# Altium PCB MiniPC.PcbDoc (part 9 of 23) (continued)
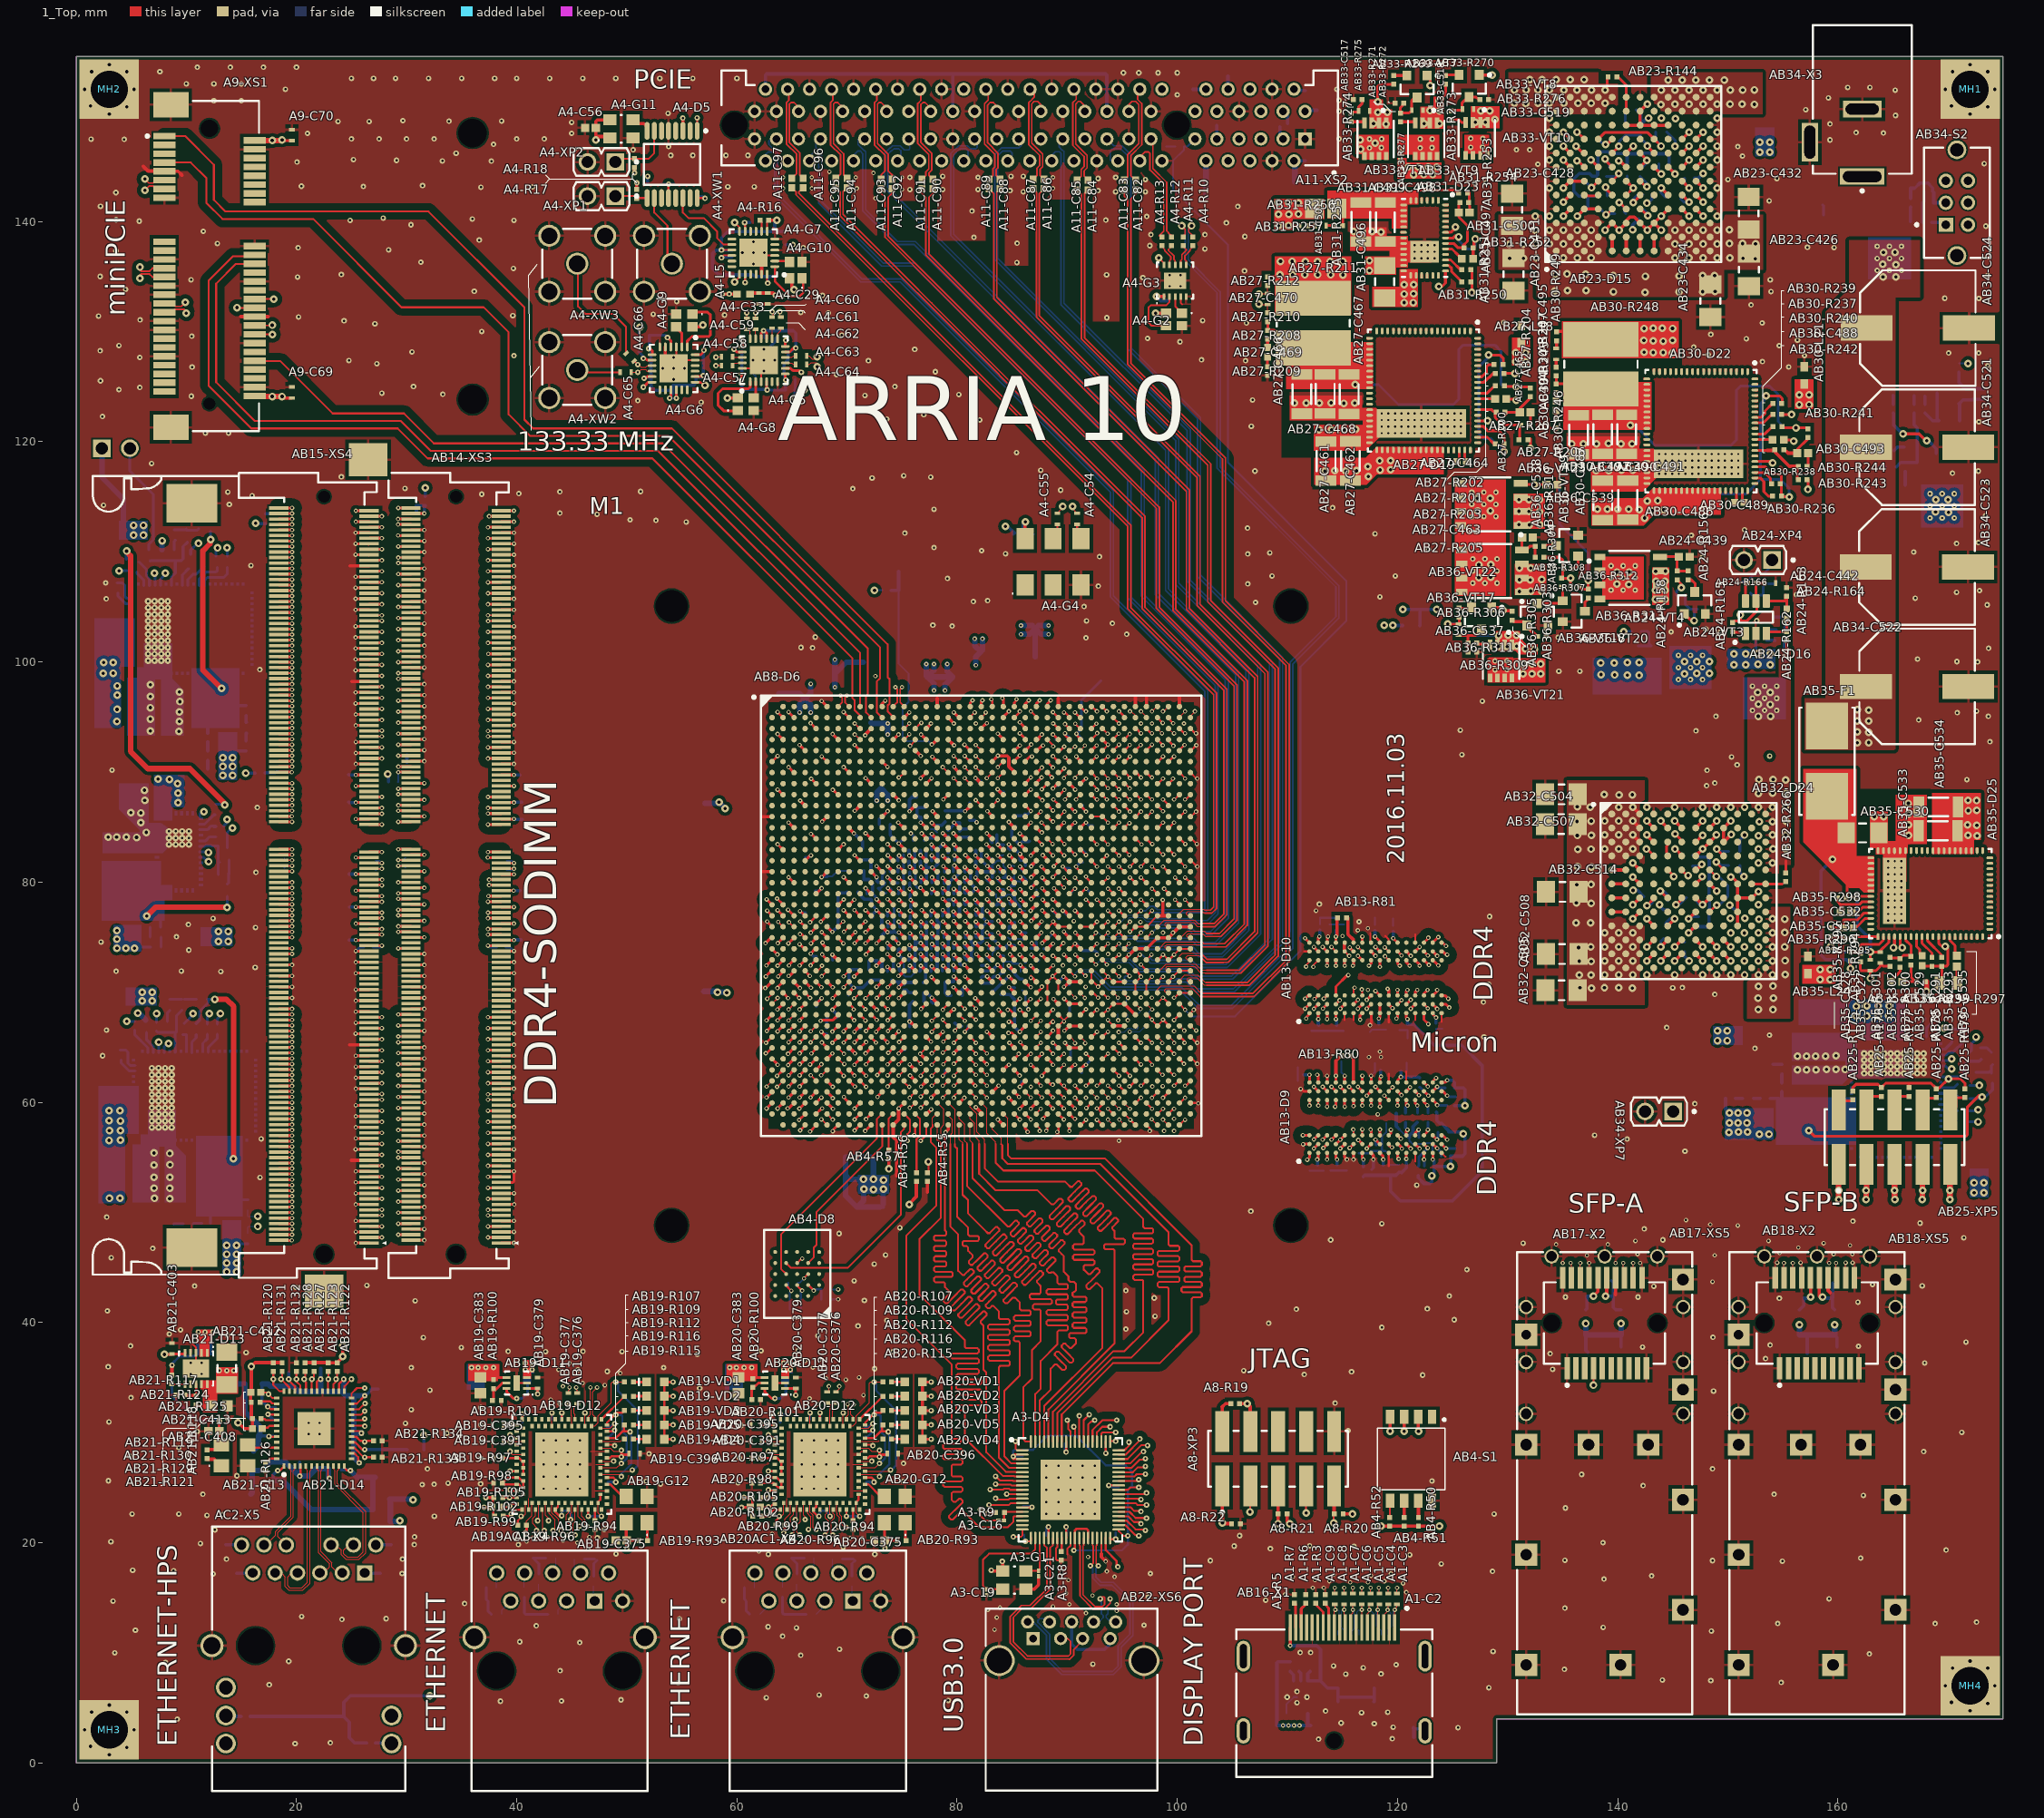
[diagram p0: 1_Top view]
## Nets (pads, with @x,y where several pads share a name; then routed paths per layer and width w, separated by ;. In a path a pad name is that pad's centre, name@x,y a point inside that pad or via, vN(x,y) a via of type N, cw(c..) or ccw(c..) an arc to the next point about the centre after c; other vN are vias at no path point) (continued)
DDR4_BLK1.ADDR.A13: AB8-D6.AG7 AB14-XS3.158 AB15-XS4.158 | length 85.3
  1_Top w0.25: AB15-XS4.158@18.4,88.475 v1(19.602,88.475) ; v1(29.25,88.475) AB14-XS3.158@30.4,88.475 ; v1(68.694,69.439) AB8-D6.AG7@69.194,69.939
  10_int9_(sign) w0.15: v1(19.602,88.475) 20.4,88.475 20.725,88.15 26,88.15 26.325,88.475 v1(29.25,88.475)
  12_int11_(sign) w0.15: v1(29.25,88.475) 30.425,89.65 37.875,89.65 38.45,90.225 40.6,90.225 40.75,90.375 40.75,91.225 40.9,91.375 41.2,91.375 41.35,91.225 41.35,89.935 41.5,89.785 41.8,89.785 41.95,89.935 41.95,91.225 42.1,91.375 42.4,91.375 42.55,91.225 42.55,89.935 42.7,89.785 43,89.785 43.15,89.935 43.15,91.225 43.3,91.375 43.6,91.375 43.75,91.225 43.75,89.935 43.9,89.785 44.2,89.785 44.35,89.935 44.35,91.225 44.5,91.375 44.8,91.375 44.95,91.225 44.95,89.935 45.1,89.785 45.4,89.785 45.55,89.935 45.55,91.225 45.7,91.375 46,91.375 46.15,91.225 46.15,89.935 46.3,89.785 46.6,89.785 46.75,89.935 46.75,91.225 46.9,91.375 47.2,91.375 47.35,91.225 47.35,90.375 47.5,90.225 53.25,90.225 54.925,88.55 60.625,88.55 62.775,86.4 62.775,80.05 64.15,78.675 64.15,77.175 64.375,76.95 64.8,76.95 65.1,76.65 65.1,76.375 65.6,75.875 65.875,75.875 66.225,75.525 66.225,74.175 66.475,73.925 67,73.925 67.2,73.725 67.2,73.15 67.425,72.925 67.9,72.925 68.2,72.625 68.2,70.42 68.694,69.926 v1(68.694,69.439)
DDR4_BLK1.ADDR.A14: AB8-D6.AG4 AB14-XS3.151 AB15-XS4.151 | length 85.2
  1_Top w0.25: AB15-XS4.151@26.6,86.725 v1(27.75,86.725) ; v1(37.398,86.725) AB14-XS3.151@38.6,86.725 ; AB8-D6.AG4@66.194,69.939 66.65,69.483 v1(66.65,69.475)
  12_int11_(sign) w0.15: v1(27.75,86.725) 28.175,86.725 28.9,86 30.65,86 31.25,86.6 37.273,86.6 v1(37.398,86.725) 38.15,86.725 38.4,86.475 39.775,86.475 40.325,85.925 40.575,85.925 40.725,86.075 40.725,86.975 40.875,87.125 41.175,87.125 41.325,86.975 41.325,85.804 41.475,85.654 41.775,85.654 41.925,85.804 41.925,86.975 42.075,87.125 42.375,87.125 42.525,86.975 42.525,85.804 42.675,85.654 42.975,85.654 43.125,85.804 43.125,86.975 43.275,87.125 43.575,87.125 43.725,86.975 43.725,85.804 43.875,85.654 44.175,85.654 44.325,85.804 44.325,86.975 44.475,87.125 44.775,87.125 44.925,86.975 44.925,85.804 45.075,85.654 45.375,85.654 45.525,85.804 45.525,86.975 45.675,87.125 45.975,87.125 46.125,86.975 46.125,85.804 46.275,85.654 46.575,85.654 46.725,85.804 46.725,86.975 46.875,87.125 47.175,87.125 47.325,86.975 47.325,85.804 47.475,85.654 47.775,85.654 47.925,85.804 47.925,86.975 48.075,87.125 48.375,87.125 48.525,86.975 48.525,85.804 48.675,85.654 48.975,85.654 49.125,85.804 49.125,86.975 49.275,87.125 49.575,87.125 49.725,86.975 49.725,86.075 49.875,85.925 52.225,85.925 52.868,85.282 52.868,85.07 52.711,84.913 52.711,84.701 52.923,84.489 53.135,84.489 53.398,84.752 54.122,85.476 54.334,85.476 54.547,85.264 54.547,85.052 53.822,84.328 53.559,84.065 53.559,83.852 53.771,83.64 53.984,83.64 54.247,83.903 54.971,84.628 55.183,84.628 55.395,84.415 55.395,84.203 54.671,83.479 54.018,82.826 54.018,82.614 54.23,82.401 54.442,82.401 55.819,83.779 56.032,83.779 56.244,83.567 56.244,83.355 55.336,82.447 55.336,82.235 55.548,82.023 55.76,82.023 55.944,82.206 56.668,82.93 56.88,82.93 57.092,82.718 57.092,82.506 56.474,81.888 56.474,81.676 57.525,80.625 57.525,80.6 59.35,78.775 59.35,78.3 61.425,76.225 61.425,73.9 62.375,72.95 63.9,72.95 64.225,72.625 64.225,71.114 65.4,69.939 66.186,69.939 v1(66.65,69.475)
DDR4_BLK1.ADDR.A15: AB8-D6.AF5 AB14-XS3.156 AB15-XS4.156 | length 86.2
  1_Top w0.25: AB15-XS4.156@18.4,87.975 v1(19.602,87.975) ; v1(29.25,87.975) AB14-XS3.156@30.4,87.975 ; AB8-D6.AF5@67.194,70.939 67.675,70.458 v1(67.675,70.45)
  12_int11_(sign) w0.15: v1(19.602,87.975) 24.9,87.975 25.125,88.2 28.325,88.2 28.55,87.975 v1(29.25,87.975) 30.675,87.975 31.125,88.425 31.375,88.425 31.7,88.1 32.1,88.1 32.425,88.425 32.75,88.425 33,88.175 33.375,88.175 33.625,88.425 33.925,88.425 34.2,88.15 34.55,88.15 34.825,88.425 38.065,88.425 38.865,89.225 53.075,89.225 54.35,87.95 59.975,87.95 60.725,87.2 60.725,86.775 60.575,86.625 60.097,86.625 59.947,86.475 59.947,86.175 60.097,86.025 61.775,86.025 61.925,85.875 61.925,85.575 61.775,85.425 59.958,85.425 59.808,85.275 59.808,84.975 59.958,84.825 61.775,84.825 61.925,84.675 61.925,84.375 61.775,84.225 60.01,84.225 59.86,84.075 59.86,83.775 60.01,83.625 61.775,83.625 61.925,83.475 61.925,83.175 61.775,83.025 59.826,83.025 59.676,82.875 59.676,82.575 59.826,82.425 61.775,82.425 61.925,82.275 61.925,81.975 61.775,81.825 60.069,81.825 59.919,81.675 59.919,81.375 60.069,81.225 61.775,81.225 61.925,81.075 61.925,80.775 61.775,80.625 60.875,80.625 60.725,80.475 60.725,79.6 62.35,77.975 62.925,77.975 63.2,77.7 63.2,75.9 63.75,75.35 64.7,75.35 65.175,74.875 65.175,73.775 66.175,72.775 66.175,72.25 66.45,71.975 67.063,71.975 67.238,71.8 67.238,70.987 67.675,70.55 v1(67.675,70.45)
DDR4_BLK1.ADDR.A16: AB8-D6.AF4 AB14-XS3.152 AB15-XS4.152 | length 86.4
  1_Top w0.25: AB15-XS4.152@18.4,86.975 v1(19.602,86.975) ; v1(29.251,86.979) 30.346,86.979 30.375,86.95 AB14-XS3.152@30.4,86.975 ; AB8-D6.AF4@66.194,70.939 66.725,70.408 v1(66.725,70.4)
  12_int11_(sign) w0.15: v1(19.602,86.975) 22.375,86.975 22.575,86.775 25.8,86.775 26.25,87.225 28.525,87.225 28.771,86.979 v1(29.251,86.979) 31.879,86.979 32.135,87.235 38.534,87.235 39.324,88.025 40.275,88.025 40.425,88.175 40.425,88.565 40.575,88.715 40.875,88.715 41.025,88.565 41.025,87.785 41.175,87.635 41.475,87.635 41.625,87.785 41.625,88.565 41.775,88.715 42.075,88.715 42.225,88.565 42.225,87.785 42.375,87.635 42.675,87.635 42.825,87.785 42.825,88.565 42.975,88.715 43.275,88.715 43.425,88.565 43.425,87.785 43.575,87.635 43.875,87.635 44.025,87.785 44.025,88.565 44.175,88.715 44.475,88.715 44.625,88.565 44.625,87.785 44.775,87.635 45.075,87.635 45.225,87.785 45.225,88.565 45.375,88.715 45.675,88.715 45.825,88.565 45.825,87.785 45.975,87.635 46.275,87.635 46.425,87.785 46.425,88.565 46.575,88.715 46.875,88.715 47.025,88.565 47.025,87.785 47.175,87.635 47.475,87.635 47.625,87.785 47.625,88.565 47.775,88.715 48.075,88.715 48.225,88.565 48.225,87.785 48.375,87.635 48.675,87.635 48.825,87.785 48.825,88.565 48.975,88.715 49.275,88.715 49.425,88.565 49.425,87.785 49.575,87.635 49.875,87.635 50.025,87.785 50.025,88.565 50.175,88.715 50.475,88.715 50.625,88.565 50.625,86.975 50.775,86.825 51.075,86.825 51.225,86.975 51.225,88.565 51.375,88.715 51.675,88.715 51.825,88.565 51.825,88.175 51.975,88.025 52.65,88.025 52.969,87.706 53.181,87.706 53.348,87.874 53.56,87.874 53.772,87.661 53.772,87.449 52.829,86.506 52.829,86.294 53.041,86.082 53.253,86.082 54.539,87.367 54.751,87.367 54.963,87.155 54.963,86.943 54.347,86.328 54.347,86.169 54.613,85.903 54.772,85.903 55.441,86.573 55.654,86.573 55.866,86.361 55.866,86.149 55.302,85.585 55.302,85.373 59.425,81.25 59.425,79.45 62.2,76.675 62.2,75.85 63.05,75 63.05,74.425 63.525,73.95 64.1,73.95 65.225,72.825 65.225,71.9 v1(66.725,70.4)
DDR4_BLK1.ADDR.BA0: AB8-D6.AK11 AB14-XS3.150 AB15-XS4.150 | length 90.4
  1_Top w0.25: AB15-XS4.150@18.4,86.475 v1(19.602,86.475) ; v1(29.25,86.475) AB14-XS3.150@30.4,86.475 ; v1(72.65,66.4) 72.655,66.4 AB8-D6.AK11@73.194,66.939
  10_int9_(sign) w0.15: v1(19.602,86.475) 25.625,86.475 26.425,87.275 28.175,87.275 28.975,86.475 v1(29.25,86.475) 36.175,86.475 36.935,85.715 38.86,85.715 39.225,85.35 40.339,85.35 42.519,87.531 42.519,88.519 42.9,88.9 43.4,88.9 43.55,89.05 43.55,90.106 43.7,90.256 44,90.256 44.15,90.106 44.15,88.816 44.3,88.666 44.6,88.666 44.75,88.816 44.75,90.106 44.9,90.256 45.2,90.256 45.35,90.106 45.35,88.826 45.5,88.676 45.8,88.676 45.95,88.826 45.95,90.106 46.1,90.256 46.4,90.256 46.55,90.106 46.55,88.826 46.7,88.676 47,88.676 47.15,88.826 47.15,90.106 47.3,90.256 47.6,90.256 47.75,90.106 47.75,88.826 47.9,88.676 48.2,88.676 48.35,88.826 48.35,90.106 48.5,90.256 48.8,90.256 48.95,90.106 48.95,88.826 49.1,88.676 49.4,88.676 49.55,88.826 49.55,90.106 49.7,90.256 50,90.256 50.15,90.106 50.15,88.826 50.3,88.676 50.6,88.676 50.75,88.826 50.75,88.808 50.843,88.9 55.15,88.9 55.79,88.26 56.062,88.26 57.265,87.057 57.265,85.791 57.952,85.104 58.071,85.104 59.3,83.875 61.304,83.875 62.264,82.915 62.749,82.915 65.075,80.589 65.075,80.47 69.595,75.95 69.859,75.95 70.1,75.709 70.1,75.564 71.319,74.345 71.319,74.284 71.539,74.064 71.736,74.064 72.325,73.475 72.325,72.58 72.304,72.559 72.304,72.248 72.325,72.227 72.325,70.655 72.304,70.634 72.304,70.323 72.325,70.302 72.325,67.32 72.65,66.995 v1(72.65,66.4)
DDR4_BLK1.ADDR.BA1: AB8-D6.AL10 AB14-XS3.145 AB15-XS4.145 | length 90.3
  1_Top w0.25: AB15-XS4.145@26.6,85.225 v1(27.75,85.225) ; v1(37.398,85.225) AB14-XS3.145@38.6,85.225 ; AB8-D6.AL10@72.194,65.939 72.292,65.842 72.262,65.812 72.625,65.45 v1(72.625,65.425)
  5_int4_(sign) w0.15: v1(72.625,65.425) 72.7,65.425 v1@72.75,65.375
  7_int6_(sign) w0.15: v1(27.75,85.225) 27.95,85.025 34.225,85.025 34.375,84.875 34.375,84.749 34.525,84.599 34.825,84.599 34.975,84.749 34.975,85.251 35.125,85.401 35.425,85.401 35.575,85.251 35.575,84.749 35.725,84.599 36.025,84.599 36.175,84.749 36.175,84.875 36.325,85.025 36.475,85.025 36.5,85.05 37.223,85.05 v1(37.398,85.225)
  10_int9_(sign) w0.15: v1(37.398,85.225) 38.35,85.225 38.85,84.725 40.435,84.725 42.535,86.825 43.6,86.825 43.75,86.975 43.75,87.997 43.9,88.147 44.2,88.147 44.35,87.997 44.35,86.825 44.49,86.685 44.81,86.685 44.95,86.825 44.95,88.007 45.1,88.157 45.4,88.157 45.55,88.007 45.55,86.825 45.69,86.685 46.01,86.685 46.15,86.825 46.15,88.007 46.3,88.157 46.6,88.157 46.75,88.007 46.75,86.825 46.89,86.685 47.21,86.685 47.35,86.825 47.35,88.007 47.5,88.157 47.8,88.157 47.95,88.007 47.95,86.825 48.09,86.685 48.41,86.685 48.55,86.825 48.55,88.007 48.7,88.157 49,88.157 49.15,88.007 49.15,86.825 49.29,86.685 49.61,86.685 49.75,86.825 49.75,88.007 49.9,88.157 50.2,88.157 50.35,88.007 50.35,86.825 50.49,86.685 50.81,86.685 50.95,86.825 50.95,88.007 51.1,88.157 51.4,88.157 51.55,88.007 51.55,86.825 51.69,86.685 52.01,86.685 52.15,86.825 52.15,88.007 52.3,88.157 52.6,88.157 52.75,88.007 52.75,86.825 52.89,86.685 53.21,86.685 53.35,86.825 53.35,88.007 53.5,88.157 53.8,88.157 53.95,88.007 53.95,86.825 54.09,86.685 54.41,86.685 54.55,86.825 54.55,88.007 54.7,88.157 55,88.157 55.15,88.007 55.15,86.975 55.3,86.825 56.35,86.825 56.725,86.45 56.725,85.174 58.074,83.825 58.376,83.825 58.625,83.576 58.625,83.574 59.349,82.85 61.753,82.85 68.753,75.85 68.83,75.85 69.1,75.58 69.1,75.503 69.699,74.904 69.727,74.904 70.05,74.58 70.05,74.148 72.069,72.129 72.069,70.753 72.054,70.737 72.054,70.22 72.069,70.204 72.069,66.657 72.1,66.626 72.1,65.95 v1(72.625,65.425)
DDR4_BLK1.ADDR.BG0: AB8-D6.AN9 AB14-XS3.115 AB15-XS4.115 | length 88.6
  1_Top w0.25: AB15-XS4.115@26.6,75.725 v1(27.75,75.725) ; v1(37.398,75.725) AB14-XS3.115@38.6,75.725 ; v1(70.675,63.4) 70.675,63.42 AB8-D6.AN9@71.194,63.939
  7_int6_(sign) w0.15: v1(27.75,75.725) 28,75.725 29.025,74.7 30.35,74.7 31.025,75.375 31.15,75.375 31.275,75.5 31.975,75.5 32.1,75.375 32.875,75.375 33.25,75 33.9,75 34.275,75.375 34.65,75.375 35.175,74.85 35.825,74.85 36.1,75.125 36.1,75.375 36.3,75.375 36.65,75.725 v1(37.398,75.725)
  10_int9_(sign) w0.15: v1(37.398,75.725) 37.975,75.725 39.525,74.175 39.83,74.175 41.345,72.66 41.345,71.555 51.8,61.1 51.8,60.45 51.95,60.3 52.125,60.3 52.35,60.525 52.35,61.44 52.5,61.59 52.8,61.59 52.95,61.44 52.95,59.31 53.1,59.16 53.4,59.16 53.55,59.31 53.55,61.44 53.7,61.59 54,61.59 54.15,61.44 54.15,59.31 54.3,59.16 54.6,59.16 54.75,59.31 54.75,60.922 54.9,61.072 55.2,61.072 55.35,60.922 55.35,59.31 55.5,59.16 55.8,59.16 55.95,59.31 55.95,61.44 56.1,61.59 56.4,61.59 56.55,61.44 56.55,59.31 56.7,59.16 57,59.16 57.15,59.31 57.15,61.44 57.3,61.59 57.6,61.59 57.75,61.44 57.75,59.31 57.9,59.16 58.2,59.16 58.35,59.31 58.35,60.928 58.5,61.078 58.8,61.078 58.95,60.928 58.95,59.31 59.1,59.16 59.4,59.16 59.55,59.31 59.55,61.44 59.7,61.59 60,61.59 60.15,61.44 60.15,59.31 60.3,59.16 60.6,59.16 60.75,59.31 60.75,61.44 60.9,61.59 61.2,61.59 61.35,61.44 61.35,60.525 61.5,60.375 61.65,60.375 62.05,59.975 64.76,59.975 65.069,60.284 65.069,60.369 65.625,60.925 67.4,60.925 69.35,62.875 70.15,62.875 v1(70.675,63.4)
DDR4_BLK1.ADDR.BG1: AB8-D6.AP8 AB14-XS3.113 AB15-XS4.113 | length 87.5
  1_Top w0.25: AB15-XS4.113@26.6,75.225 v1(27.75,75.225) ; v1(37.398,75.225) AB14-XS3.113@38.6,75.225 ; AB8-D6.AP8@70.194,62.939 70.675,62.458 v1(70.675,62.425)
  7_int6_(sign) w0.15: v1(27.75,75.225) 28.05,74.925 28.05,74.475 29.1,73.425 29.975,73.425 30.575,74.025 34.925,74.025 35.1,73.85 35.4,73.85 35.575,74.025 36.225,74.025 37.398,75.198 v1(37.398,75.225)
  10_int9_(sign) w0.15: v1(37.398,75.225) 38.075,74.548 38.075,73.85 38.725,73.2 39.805,73.2 40.8,72.205 40.8,71.331 44.166,67.966 44.166,67.791 44.691,67.266 44.865,67.266 45.183,66.948 45.183,66.736 44.423,65.976 44.423,65.763 44.635,65.551 44.848,65.551 45.608,66.311 45.82,66.311 46.032,66.099 46.032,65.887 45.272,65.127 45.272,64.915 45.484,64.703 45.696,64.703 46.456,65.463 46.668,65.463 46.881,65.251 46.881,65.039 46.12,64.278 46.12,64.066 46.332,63.854 46.545,63.854 47.305,64.614 47.517,64.614 47.729,64.402 47.729,64.19 46.969,63.43 46.969,63.218 47.181,63.006 47.393,63.006 48.153,63.766 48.365,63.766 48.578,63.554 48.578,63.342 47.817,62.581 47.817,62.369 48.03,62.157 48.242,62.157 49.002,62.917 49.214,62.917 49.426,62.705 49.426,62.493 48.666,61.733 48.666,61.521 48.878,61.309 49.09,61.309 49.85,62.069 50.062,62.069 51.075,61.056 51.075,58.9 51.5,58.475 52.025,58.475 52.175,58.625 52.175,58.763 52.325,58.913 52.625,58.913 52.775,58.763 52.775,57.25 52.925,57.1 53.225,57.1 53.375,57.25 53.375,58.515 53.525,58.665 53.825,58.665 53.975,58.515 53.975,57.25 54.125,57.1 54.425,57.1 54.575,57.25 54.575,58.515 54.725,58.665 55.025,58.665 55.175,58.515 55.175,57.25 55.325,57.1 55.625,57.1 55.775,57.25 55.775,58.515 55.925,58.665 56.225,58.665 56.375,58.515 56.375,57.25 56.525,57.1 56.825,57.1 56.975,57.25 56.975,58.515 57.125,58.665 57.425,58.665 57.575,58.515 57.575,57.25 57.725,57.1 58.025,57.1 58.175,57.25 58.175,58.325 58.325,58.475 61.892,58.475 62.482,59.064 63.849,59.064 63.86,59.075 64.755,59.075 64.975,59.295 64.975,59.375 65.65,60.05 67.83,60.05 68.05,60.27 68.05,60.35 68.725,61.025 68.855,61.025 69.83,62 70.25,62 v1(70.675,62.425)
DDR4_BLK1.CTRL.ACT: AB8-D6.AV9 AB14-XS3.114 AB15-XS4.114 | length 84.7
  1_Top w0.25: AB15-XS4.114@18.4,75.475 v1(19.602,75.475) ; v1(29.25,75.475) AB14-XS3.114@30.4,75.475 ; v1(70.694,58.439) AB8-D6.AV9@71.194,58.939
  10_int9_(sign) w0.15: v1(19.602,75.475) 20.275,75.475 21.5,74.25 25.95,74.25 26.425,74.725 28.025,74.725 28.775,75.475 v1(29.25,75.475) 33.15,75.475 37.2,71.425 37.2,71.025 38.525,69.7 40.158,69.7 41.865,67.993 41.865,61.01 42.36,60.515 42.565,60.515 42.777,60.515 42.989,60.303 42.989,60.091 42.02,59.122 42.02,58.91 42.232,58.698 42.444,58.698 43.413,59.667 43.625,59.667 43.837,59.455 43.837,59.242 43.735,59.14 42.869,58.274 42.869,58.062 43.081,57.85 43.293,57.85 44.159,58.716 44.262,58.818 44.474,58.818 44.686,58.606 44.686,58.394 44.583,58.292 43.717,57.425 43.717,57.213 43.929,57.001 44.141,57.001 45.11,57.97 45.322,57.97 45.534,57.758 45.534,57.545 45.432,57.443 44.566,56.577 44.566,56.365 44.778,56.153 44.99,56.153 45.856,57.019 45.959,57.121 46.171,57.121 46.383,56.909 46.383,56.697 46.28,56.595 45.44,55.754 45.44,55.542 45.652,55.33 45.864,55.33 46.672,56.138 46.737,56.138 47.545,55.33 64.475,55.33 64.625,55.48 64.625,55.725 64.825,55.925 65.08,55.925 65.225,55.78 65.225,55.48 65.375,55.33 67.585,55.33 v1(70.694,58.439)
DDR4_BLK1.CTRL.ALERT: AB8-D6.AU9 AB14-XS3.116 AB15-XS4.116 | length 84.1
  1_Top w0.25: AB15-XS4.116@18.4,75.975 v1(19.602,75.975) ; v1(29.251,75.979) 30.346,75.979 30.375,75.95 AB14-XS3.116@30.4,75.975 ; v1(70.68,59.425) AB8-D6.AU9@71.194,59.939
  10_int9_(sign) w0.15: v1(19.602,75.975) 20.7,75.975 21.075,75.6 25.925,75.6 26.55,76.225 28.575,76.225 28.821,75.979 v1(29.251,75.979) 33.621,75.979 38.75,70.85 39.729,70.85 42.375,68.204 42.375,63.483 42.885,62.973 43.097,62.973 43.309,62.973 43.521,62.761 43.521,62.548 42.585,61.613 42.585,61.4 42.798,61.188 43.01,61.188 43.917,62.096 44.129,62.096 44.341,61.883 44.341,61.671 44.264,61.594 43.434,60.764 43.434,60.552 43.646,60.34 43.858,60.34 44.688,61.17 44.765,61.247 44.977,61.247 45.19,61.035 45.19,60.823 45.112,60.745 44.282,59.916 44.282,59.703 44.495,59.491 44.707,59.491 45.614,60.398 45.826,60.398 46.038,60.186 46.038,59.974 45.961,59.897 45.131,59.067 45.131,58.855 45.343,58.643 45.555,58.643 46.385,59.473 46.462,59.55 46.675,59.55 46.887,59.338 46.887,59.126 46.809,59.048 45.979,58.218 45.979,58.006 46.192,57.794 46.404,57.794 47.311,58.701 47.523,58.701 47.735,58.489 47.735,58.277 47.658,58.2 46.828,57.37 46.828,57.158 47.04,56.946 47.252,56.946 47.976,57.669 48.188,57.669 50.018,55.84 63.415,55.84 65.5,57.925 68.925,57.925 70.425,59.425 v1(70.68,59.425)
DDR4_BLK1.CTRL.CK0_N: AB7-R59.2 AB8-D6.AE8 AB14-XS3.139 | length 77.9
  1_Top w0.15: AB14-XS3.139@38.6,81.725 v1(39.75,81.725) ; v1(69.694,71.439) AB8-D6.AE8@70.194,71.939
  10_int9_(sign) w0.13: v1(39.75,81.725) 39.85,81.625 47.449,81.625 48.174,80.901 48.368,80.901 48.767,81.3 49.599,82.132 49.901,82.132 50.006,82.027 50.037,82.027 50.315,81.749 50.315,81.335 50.298,81.318 49.69,80.71 48.265,79.285 48.265,79.091 48.488,78.867 48.682,78.867 49.975,80.16 50.88,81.065 51.349,81.065 51.675,80.739 51.675,80.347 51.645,80.317 49.439,78.111 49.439,77.917 49.662,77.694 49.856,77.694 51.112,78.95 52.102,79.94 52.474,79.94 52.825,79.589 52.825,79.175 52.01,78.36 52.01,78.334 51.983,78.308 50.613,76.937 50.613,76.743 50.836,76.52 51.03,76.52 52.285,77.775 53.35,78.84 53.799,78.84 54.12,78.52 54.12,78.097 53.212,77.189 51.786,75.763 51.786,75.569 52.01,75.346 52.204,75.346 54.058,77.2 54.475,77.2 54.8,76.875 54.8,76.429 54.201,75.83 52.96,74.589 52.96,74.395 53.183,74.172 53.377,74.172 54.803,75.598 55.196,75.598 55.559,75.234 55.559,74.841 54.134,73.416 54.134,73.222 54.357,72.998 54.551,72.998 55.977,74.424 56.37,74.424 56.733,74.06 56.733,73.667 55.308,72.242 55.308,72.048 55.531,71.825 55.725,71.825 56.291,72.391 56.684,72.391 57.509,71.565 61.549,71.565 62.054,71.06 65.46,71.06 65.625,71.225 65.875,71.225 66.04,71.06 68.335,71.06 68.5,71.225 68.7,71.225 68.865,71.06 69.315,71.06 v1(69.694,71.439)
  16_Bottom w0.15: AB7-R59.2@39.1,81.925 39.55,81.925 v1(39.75,81.725)
DDR4_BLK1.CTRL.CK0_P: AB7-R59.1 AB8-D6.AF8 AB14-XS3.137 | length 77.7
  1_Top w0.15: AB14-XS3.137@38.6,81.225 39.731,81.225 v1(39.752,81.204) ; v1(69.694,70.439) AB8-D6.AF8@70.194,70.939
  10_int9_(sign) w0.13: v1(39.752,81.204) 39.898,81.35 39.905,81.35 39.94,81.385 47.35,81.385 48.074,80.661 48.467,80.661 48.937,81.13 49.699,81.892 49.802,81.892 49.907,81.787 49.938,81.787 50.075,81.65 50.075,81.434 48.025,79.384 48.025,78.991 48.389,78.627 48.782,78.627 50.145,79.991 50.979,80.825 51.25,80.825 51.435,80.64 51.435,80.446 49.199,78.21 49.199,77.817 49.562,77.454 49.955,77.454 51.282,78.78 52.202,79.7 52.375,79.7 52.585,79.49 52.585,79.274 51.743,78.433 51.743,78.407 50.373,77.036 50.373,76.643 50.736,76.28 51.129,76.28 52.455,77.605 53.449,78.6 53.7,78.6 53.88,78.42 53.88,78.196 52.972,77.288 51.546,75.863 51.546,75.47 51.91,75.106 52.303,75.106 53.673,76.477 54.157,76.96 54.376,76.96 54.56,76.776 54.56,76.529 54.031,76 52.72,74.689 52.72,74.296 53.084,73.932 53.477,73.932 54.902,75.358 55.096,75.358 55.319,75.135 55.319,74.94 53.894,73.515 53.894,73.122 54.258,72.758 54.651,72.758 56.076,74.184 56.27,74.184 56.493,73.961 56.493,73.767 55.068,72.341 55.068,71.948 55.431,71.585 55.824,71.585 56.39,72.151 56.584,72.151 57.4,71.335 57.951,71.335 57.961,71.325 61.45,71.325 61.955,70.82 69.313,70.82 v1(69.694,70.439)
  16_Bottom w0.15: AB7-R59.1@39.1,81.075 39.104,81.079 39.627,81.079 v1(39.752,81.204)
DDR4_BLK1.CTRL.CK1_N: AB7-R61.2 AB8-D6.AH3 AB14-XS3.140 | length 74.4
  1_Top w0.15: v1(29.25,82) 30.375,82 AB14-XS3.140@30.4,81.975 ; v1(64.694,68.439) AB8-D6.AH3@65.194,68.939
  10_int9_(sign) w0.13: v1(29.25,82) 29.392,81.858 36.657,81.858 37.589,80.925 38.674,80.925 39.434,80.165 45.599,80.165 46.826,78.938 46.826,78.546 45.642,77.361 45.642,77.167 45.865,76.944 46.059,76.944 47.243,78.128 47.636,78.128 48,77.765 48,77.372 46.815,76.187 46.815,75.993 47.039,75.77 47.233,75.77 48.417,76.955 48.81,76.955 49.174,76.591 49.174,76.198 47.989,75.014 47.989,74.82 48.212,74.596 48.406,74.596 49.591,75.781 49.984,75.781 50.347,75.417 50.347,75.024 49.163,73.84 49.163,73.646 49.386,73.423 49.58,73.423 50.765,74.607 51.157,74.607 51.521,74.243 51.521,73.85 50.337,72.666 50.337,72.472 50.56,72.249 50.754,72.249 51.938,73.433 52.331,73.433 52.695,73.069 52.695,72.677 51.511,71.492 51.511,71.298 51.734,71.075 51.928,71.075 53.112,72.259 53.505,72.259 53.869,71.896 53.869,71.503 52.684,70.318 52.684,70.124 52.908,69.901 53.102,69.901 54.286,71.086 54.679,71.086 55.043,70.722 55.043,70.329 53.858,69.145 53.858,68.951 54.081,68.727 54.275,68.727 55.46,69.912 55.853,69.912 56.574,69.19 59.86,69.19 60.601,68.449 60.834,68.449 61.035,68.65 61.035,68.76 61.4,69.125 61.85,69.125 62.125,68.85 62.125,68.49 62.55,68.065 63.519,68.065 63.524,68.06 63.826,68.06 63.831,68.065 64.4,68.065 64.694,68.359 v1(64.694,68.439)
  16_Bottom w0.15: v1(29.25,82) 29.726,82 AB7-R61.2@29.901,82.175
DDR4_BLK1.CTRL.CK1_P: AB7-R61.1 AB8-D6.AJ3 AB14-XS3.138 | length 74.5
  1_Top w0.15: v1(29.25,81.475) AB14-XS3.138@30.4,81.475 ; v1(64.694,67.439) AB8-D6.AJ3@65.194,67.939
  10_int9_(sign) w0.13: v1(29.25,81.475) 29.393,81.618 36.558,81.618 37.49,80.685 38.575,80.685 39.335,79.925 45.5,79.925 46.586,78.839 46.586,78.645 45.402,77.461 45.402,77.068 45.765,76.704 46.158,76.704 47.343,77.888 47.537,77.888 47.76,77.665 47.76,77.471 46.575,76.287 46.575,75.894 46.939,75.53 47.332,75.53 48.516,76.715 48.71,76.715 48.934,76.491 48.934,76.297 47.749,75.113 47.749,74.72 48.113,74.356 48.506,74.356 49.69,75.541 49.884,75.541 50.107,75.318 50.107,75.124 48.923,73.939 48.923,73.546 49.287,73.183 49.68,73.183 50.864,74.367 51.058,74.367 51.281,74.144 51.281,73.95 50.097,72.765 50.097,72.373 50.461,72.009 50.853,72.009 52.038,73.193 52.232,73.193 52.455,72.97 52.455,72.776 51.271,71.592 51.271,71.199 51.634,70.835 52.027,70.835 53.212,72.019 53.406,72.019 53.629,71.796 53.629,71.602 52.444,70.418 52.444,70.025 52.808,69.661 53.201,69.661 54.385,70.846 54.579,70.846 54.803,70.622 54.803,70.428 53.618,69.244 53.618,68.851 53.982,68.487 54.375,68.487 55.559,69.672 55.753,69.672 56.475,68.95 56.502,68.923 56.647,68.923 56.674,68.95 59.761,68.95 60.501,68.209 60.934,68.209 61.275,68.551 61.275,68.661 61.499,68.885 61.751,68.885 61.885,68.751 61.885,68.391 62.075,68.201 62.451,67.825 62.85,67.825 62.975,67.7 63.425,67.7 63.545,67.82 63.926,67.82 63.931,67.825 64.4,67.825 64.694,67.531 v1(64.694,67.439)
  16_Bottom w0.15: v1(29.25,81.475) 29.751,81.475 AB7-R61.1@29.901,81.325
DDR4_BLK1.CTRL.CKE: AB8-D6.AR8 AB14-R83.2 AB14-XS3.109 | length 75.3
  1_Top w0.25: v1(37.398,74.225) AB14-XS3.109@38.6,74.225 ; AB8-D6.AR8@70.194,61.939 70.708,61.425 v1(70.725,61.425)
  10_int9_(sign) w0.15: v1(37.398,74.225) 37.398,73.002 38.2,72.2 39.805,72.2 40.265,71.74 40.265,71.035 42.965,68.335 42.965,65.885 43.444,65.406 43.656,65.406 43.716,65.467 43.929,65.467 44.141,65.255 44.141,65.043 43.143,64.045 43.143,63.833 43.355,63.621 43.567,63.621 44.565,64.619 44.777,64.619 44.989,64.407 44.989,64.194 44.822,64.028 43.991,63.196 43.991,62.984 44.203,62.772 44.415,62.772 45.247,63.603 45.414,63.77 45.626,63.77 45.838,63.558 45.838,63.346 45.671,63.179 44.84,62.348 44.84,62.136 45.052,61.923 45.264,61.923 46.262,62.922 46.474,62.922 46.686,62.709 46.686,62.497 46.519,62.331 45.688,61.499 45.688,61.287 45.9,61.075 46.112,61.075 46.944,61.906 47.111,62.073 47.323,62.073 47.535,61.861 47.535,61.649 47.368,61.482 46.537,60.651 46.537,60.439 46.749,60.226 46.961,60.226 47.959,61.225 48.171,61.225 48.383,61.012 48.383,60.8 48.217,60.633 47.385,59.802 47.385,59.59 47.597,59.378 47.809,59.378 48.641,60.209 49.224,60.793 49.436,60.793 49.648,60.58 49.648,60.368 49.065,59.785 48.234,58.954 48.234,58.741 48.446,58.529 48.658,58.529 50.106,59.977 50.318,59.977 50.53,59.765 50.53,59.553 49.914,58.936 49.082,58.105 49.082,57.893 49.294,57.681 49.507,57.681 50.232,58.406 50.444,58.406 52.325,56.525 63.125,56.525 65.1,58.5 65.1,58.6 65.525,59.025 67.855,59.025 68.125,59.295 68.125,59.6 68.525,60 68.855,60 69.075,60.22 69.075,60.55 69.425,60.9 70.2,60.9 v1(70.725,61.425)
  16_Bottom w0.25: v1(37.398,74.225) 37.523,74.1 AB14-R83.2@38.175,74.1
DDR4_BLK1.CTRL.CS: AB8-D6.AP11 AB14-XS3.149 | length 75.4
  1_Top w0.25: v1(37.398,86.225) AB14-XS3.149@38.6,86.225 ; v1(72.75,62.473) 72.75,62.496 AB8-D6.AP11@73.194,62.939
  10_int9_(sign) w0.15: v1(37.398,86.225) 40.492,86.225 41.771,87.504 41.771,89.096 42.325,89.65 42.325,90.475 42.65,90.8 43.075,90.8 43.225,90.95 43.225,91.944 43.375,92.094 43.675,92.094 43.825,91.944 43.825,90.95 43.975,90.8 44.275,90.8 44.425,90.95 44.425,91.944 44.575,92.094 44.875,92.094 45.025,91.944 45.025,90.95 45.175,90.8 45.475,90.8 45.625,90.95 45.625,91.944 45.775,92.094 46.075,92.094 46.225,91.944 46.225,90.95 46.375,90.8 46.675,90.8 46.825,90.95 46.825,91.944 46.975,92.094 47.275,92.094 47.425,91.944 47.425,90.95 47.575,90.8 47.875,90.8 48.025,90.95 48.025,91.944 48.175,92.094 48.475,92.094 48.625,91.944 48.625,90.95 48.775,90.8 49.075,90.8 49.225,90.95 49.225,91.944 49.375,92.094 49.675,92.094 49.825,91.944 49.825,90.95 49.975,90.8 50.275,90.8 50.425,90.95 50.425,91.944 50.575,92.094 50.875,92.094 51.025,91.944 51.025,90.95 51.175,90.8 54.125,90.8 56.155,88.77 56.305,88.77 57.775,87.3 57.775,86.524 59.199,85.1 60.8,85.1 62.475,83.425 63.178,83.425 69.664,76.939 69.791,76.939 71.125,75.605 71.125,75.478 71.539,75.064 71.599,75.064 72.319,74.345 72.319,73.929 73.075,73.173 73.075,72.584 73.054,72.562 73.054,72.045 73.075,72.023 73.075,70.704 73.069,70.698 73.069,69.643 73.079,69.634 73.079,68.273 73.075,68.269 73.075,65.725 73,65.651 73,65.27 72.75,65.02 v1(72.75,62.473)
DDR4_BLK1.CTRL.ODT: AB8-D6.AK12 AB14-XS3.155 | length 78.5
  1_Top w0.25: v1(37.398,87.725) AB14-XS3.155@38.6,87.725 ; v1(73.725,66.47) AB8-D6.AK12@74.194,66.939
  10_int9_(sign) w0.15: v1(37.398,87.725) 39.95,87.725 40.55,88.325 40.55,89.625 41.26,90.335 41.26,93.81 41.86,94.41 42.375,94.41 42.525,94.56 42.525,95.547 42.675,95.697 42.975,95.697 43.125,95.547 43.125,94.56 43.275,94.41 43.575,94.41 43.725,94.56 43.725,95.547 43.875,95.697 44.175,95.697 44.325,95.547 44.325,94.56 44.475,94.41 44.775,94.41 44.925,94.56 44.925,95.547 45.075,95.697 45.375,95.697 45.525,95.547 45.525,94.56 45.675,94.41 45.975,94.41 46.125,94.56 46.125,95.547 46.275,95.697 46.575,95.697 46.725,95.547 46.725,94.56 46.875,94.41 47.175,94.41 47.325,94.56 47.325,95.547 47.475,95.697 47.775,95.697 47.925,95.547 47.925,94.56 48.075,94.41 48.375,94.41 48.525,94.56 48.525,95.547 48.675,95.697 48.975,95.697 49.125,95.547 49.125,94.56 49.275,94.41 49.575,94.41 49.725,94.56 49.725,95.547 49.875,95.697 50.175,95.697 50.325,95.547 50.325,94.56 50.475,94.41 50.775,94.41 50.925,94.56 50.925,95.547 51.028,95.65 51.422,95.65 51.525,95.547 51.525,94.56 51.675,94.41 52.99,94.41 59.425,87.975 59.85,87.975 63.275,84.55 64.07,84.55 66.57,82.05 66.625,82.05 70.28,78.395 70.28,78.245 70.499,78.025 70.63,78.025 71.319,77.336 71.319,77.284 71.539,77.064 71.611,77.064 73.3,75.375 73.3,75.295 73.52,75.075 73.6,75.075 74.054,74.621 74.054,70.631 74.08,70.605 74.08,70.295 74.079,70.294 74.079,67.294 73.725,66.94 v1(73.725,66.47)